# Altium PCB Salico Picker Motor Controller Breakout.PcbDoc (continued)
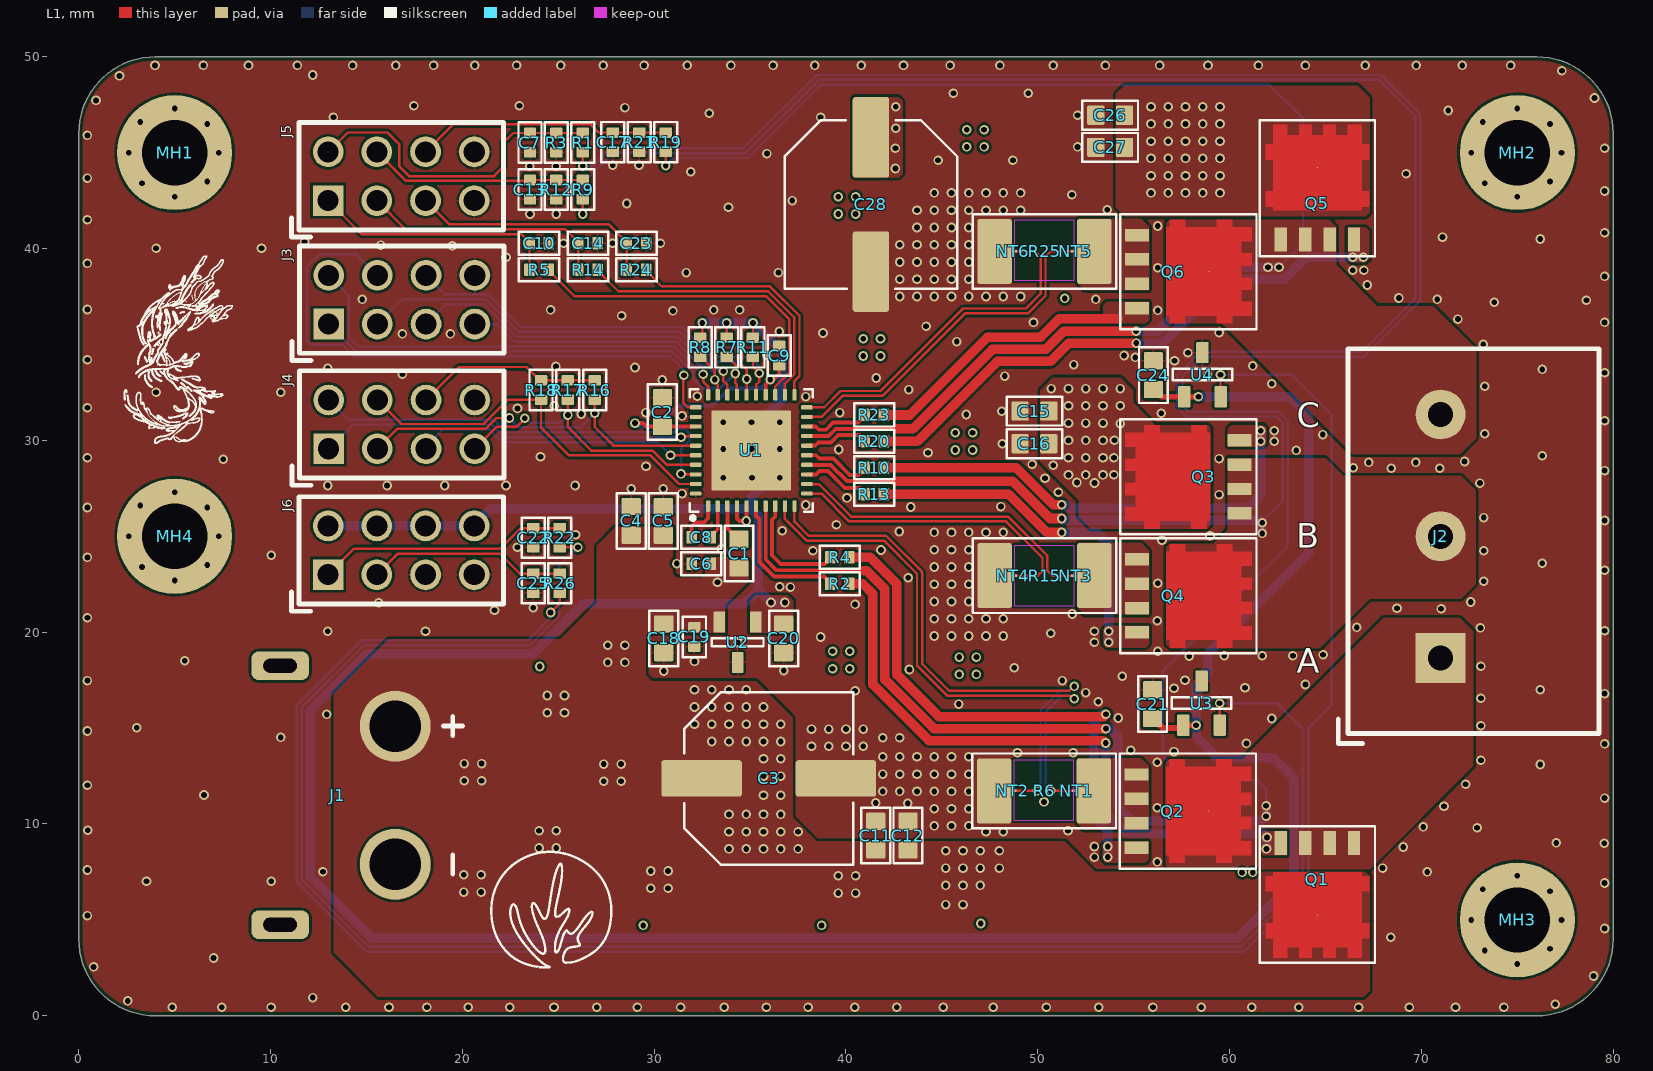
[diagram p0: L1 view]
## Footprints (in the part's own frame and the unit in brackets; to place one, negate y for a bottom-side part, rotate by r counter-clockwise, add the part's x,y. Pads: shape width x height; smd on the part's side, far side on the other; paste and mask are expansions set on the pad) (continued)
XT60PW-M-Footprint-1 [mm]
  round 3.7 hole 2.7: 1(3.6,-6) 2(-3.6,-6)
  rrect50% 1.5x3 hole 0.75 slot 1.75 at 90 deg: MH0(-6.75,0) MH1(6.75,0)
  silkscreen extent -4.1,-9.5 4.1,-8.5, body extent -7.75,-7.85 7.75,10.35, height 8.41

## Part data
C1 C2 C20 C21 C24: library part CMP-001-00087-3, "CAP CER 1UF 25V X7R 0603", Capacitor Type=MLCC, Case/Package=0603, Temperature Coefficient=X7R, Tolerance=10%, Voltage Rating=25V, Mounting Technology="Surface Mount", Pins=2
C3 C28: library part CMP-001-00089-1, "CAP ALUM 220UF 20% 35V SMD", Capacitor Type="Aluminum Electrolytic", Case/Package="Radial, Can - SMD", Tolerance=20%, Voltage Rating=35V, Mounting Technology="Surface Mount", Pins=2
C4 C5 C11 C12 C15 C16 C18 C26 C27: library part CMP-001-00088-2, "CAP CER 10UF 35V X5R 0603", Capacitor Type=MLCC, Case/Package=0603, Temperature Coefficient=X5R, Tolerance=20%, Voltage Rating=35V, Mounting Technology="Surface Mount", Pins=2
C6 C7 C9 C10 C13 C14 C17 C19 C22 C23 C25: library part CMP-001-00084-4, "CAP CER 0.1UF 50V X7R 0402", Capacitor Type=MLCC, Case/Package=0402, Temperature Coefficient=X7R, Tolerance=10%, Voltage Rating=50V, Mounting Technology="Surface Mount", Pins=2
C8: library part CMP-001-00085-3, "CAP CER 0.047UF 50V X7R 0402", Capacitor Type=MLCC, Case/Package=0402, Temperature Coefficient=X7R, Tolerance=10%, Voltage Rating=50V, Mounting Technology="Surface Mount", Pins=2
J1: library part CMP-002-00071-2, "XT60PW-M Connector", Connector Type="Through Hole", Gender=Male, Pins=2
J2: library part CMP-002-00073-1, "TERM BLK 3P SIDE ENT 6.35MM PCB", Max Current Rating=30A, Mounting Technology="Through Hole", Pins=3
J3 J4 J5 J6: library part CMP-002-00072-1, "CONN HEADER VERT 8POS 2.54MM", Connector Type=Header, Gender=Male, Mounting Technology="Through Hole", Pins=8
MH1 MH2 MH3 MH4: library part CMP-00030-00001-1, "M3 Mounting Hole"
NT1 NT2 NT3 NT4 NT5 NT6: library part CMP-00030-00002-12, "127um NET TIE"
Q1 Q2 Q3 Q4 Q5 Q6: library part CMP-013-00034-5, "MOSFET N-CH 40V 120A POWERFLAT 5X6 WF", Drain Current=120A, Drain to Source Voltage=40V, Input Capacitance=5400pF, Gate Charge=70nC, Mounting Technology="Surface Mount", Rds On=1mΩ, Transistor Type=N-Channel, Vgs (Max)=16V, Vgs(th) (Max) @ Id="2V @ 250µA"
R1 R9 R19: library part CMP-009-00182-1, "RES 66.5K OHM 1% 1/16W 0402", Case/Package=0402, Power=63mW, Tolerance=1%, Mounting Technology="Surface Mount", Pins=2
R2 R4 R5 R10 R13 R14 R16 R17 R18 R20 R22 R23 R24 R26: library part CMP-009-00180-2, "RES 0 OHM JUMPER 1/16W 0402", Case/Package=0402, Power=63mW, Mounting Technology="Surface Mount"
R3 R12 R21: library part CMP-009-00179-2, "RES 10K OHM 1% 1/16W 0402", Case/Package=0402, Power=63mW, Tolerance=1%, Pins=2
R6 R15 R25: library part CMP-009-00181-2, "RES 0.001 OHM 1% 5W 2512", Case/Package=2512, Power=5W, Tolerance=1%, Pins=2
R7 R8 R11: library part CMP-009-00178-5, "RES 4.7K OHM 1% 1/16W 0402", Case/Package=0402, Power=63mW, Tolerance=1%, Mounting Technology="Surface Mount", Pins=2
U1: library part CMP-00024-00006-10, "IC MTR DRV MULTPHAS 6-60V 40WQFN", Case/Package="40-WFQFN Exposed Pad", Max Operating Temperature=125°C, Min Operating Temperature=-40°C, Voltage Rating=60V, Mounting Technology="Surface Mount"
U2: library part CMP-019-00049-1, "IC REG LINEAR 3.3V 100MA SOT23-3", Case/Package=SOT-23-3, Dropout Voltage=1.1V, Output Current=100mA, Output Voltage=3.3V, Mounting Technology="Surface Mount"
U3 U4: library part CMP-010-00025-2, "SENSOR ANALOG -40C-125C SOT23-3", Case/Package=SOT-23-3, Mounting Technology="Surface Mount", Pins=3, Sensor Type=Temperature

## Via types
v1: diameter 0.5, hole 0.3, L1 to L4, tented both sides, 720 vias

## Nets (pads, with @x,y where several pads share a name; then routed paths per layer and width w, separated by ;. In a path a pad name is that pad's centre, name@x,y a point inside that pad or via, vN(x,y) a via of type N, cw(c..) or ccw(c..) an arc to the next point about the centre after c; other vN are vias at no path point)
3V3: C20.2 C21.2 C24.2 J6.5 J6.6 J6.7 J6.8 R7.2 R8.2 R11.2 U2.1 U3.1 U4.1 | length 174.7
  L1 w0.127: R8.2 32.5,35.45 v1(32.5,36.125) ; R7.2 v1(33.775,36.125) ; R11.2 v1(35.15,36.125)
  L1 w0.3: C21.2 56.036,15.5 56.336,15.2 56.336,15.176 56.512,15 57.436,15 U3.1 v1(58.25,15.15) ; C24.2 56.076,32.65 56.451,32.275 U4.1 v1(58.375,32.275)
  L4 w0.5: J6.8 J6.7 J6.6 J6.5@20.635,25.54 ; J6.5 20.62,25.584 21.463,26.427 35.06,26.427 ; v1(32.5,36.125) v1(33.775,36.125) v1(35.15,36.125) 36.68,34.595 36.68,32.13 35.9,31.35 35.9,27.875 35.075,27.05 35.075,26.454 35.06,26.439 35.06,26.427 ; v1(36.817,21.546) v1(36.092,21.546) 35.427,22.211 ; v1(58.375,32.275) 63.1,32.275 64.125,31.25 64.125,24.15 58.861,18.886 58.861,17.799 58.25,17.188 v1(58.25,15.15) 58.25,14.575 59.375,13.45 62.3,13.45 63.35,12.4 63.35,6.975 60.425,4.05 25.45,4.05 25.441,4.04 15.292,4.04 12.069,7.263 12.069,15.912 15.038,18.881 23.701,18.881 26.296,21.475 34.691,21.475 35.427,22.211 ; 35.06,26.427 35.427,26.06 35.427,22.211
DRV_3V3: C2.2 C9.2 U1.24 U1.33 | length 13.3
  L1 w0.127: v1@36.053,33.151 v1(36.053,33.172)
  L1 w0.2: v1(29,30.9) 29.425,30.9 29.6,30.725 C2.2 ; C2.2@30.426,30.724 U1.33 ; U1.24 35.813,32.911 v1@36.053,33.151 ; v1(36.053,33.172) 36.11,33.229 36.279,33.229 36.517,33.467 36.517,33.917 C9.2
  L4 w0.2: v1(29,30.9) 29.081,30.9 29.256,30.725 30.175,30.725 31.252,31.802 33.052,31.802 33.95,32.7 35.575,32.7 v1@36.047,33.172
DRV_CPH: C8.2 U1.2 | length 1.8
  L1 w0.2: C8.2 32.95,25 33.125,25.175 33.313,25.363 U1.2
DRV_CPL: C8.1 U1.1 | length 2.2
  L1 w0.2: C8.1 31.95,25.525 32.15,25.725 32.6,25.725 32.813,25.938 U1.1
DRV_GHA: R2.1 U1.6 | length 7.2
  L1 w0.2: U1.6 35.313,26.062 35.486,25.889 35.486,23.651 36.24,22.898 38.852,22.898 39.175,22.575 R2.1
DRV_GHA_R: Q1.1 R2.2 | length 32.7
  L1 w0.5: R2.2 40.875,22.525 41.4,22 41.4,17.275 44.327,14.348 53.414,14.348 v1(53.537,14.225)
  L4 w0.5: v1(53.537,14.225) 53.537,10.638 54.652,9.523 61.727,9.523 v1(61.95,9.3) 61.937,9.287 61.937,8.712 v1(61.925,8.7)
DRV_GHB: R10.1 U1.15 | length 3.6
  L1 w0.2: U1.15 38.45,29.225 38.623,29.052 39.348,29.052 40.198,28.202 40.652,28.202 40.975,28.525 R10.1
DRV_GHB_R: Q3.1 R10.2 | length 24.2
  L1 w0.5: R10.2 48.873,28.575 50.798,26.65 v1(51.25,26.65)
  L4 w0.5: v1(51.25,26.65) 51.412,26.65 51.608,26.454 60.929,26.454 61.625,27.15 v1(61.625,30.5)
  other v1: 61.625,29.95
DRV_GHC: R20.1 U1.16 | length 3.4
  L1 w0.2: U1.16 38.399,29.724 38.572,29.897 39.222,29.897 ; 39.222,29.898 39.597,30.273 40.702,30.273 40.975,30 R20.1
DRV_GHC_R: Q5.1 R20.2 | length 29
  L1 w0.5: R20.2 43.723,29.95 47.894,34.121 50.669,34.121 51.621,35.073 v1(55.134,35.073)
  L4 w0.5: v1(55.134,35.073) 56.523,35.073 59.848,38.398 62.835,38.398 63.987,39.55 v1(66.975,39.55)
  other v1: 66.425,39.55
DRV_GLA: R4.1 U1.8 | length 6
  L1 w0.2: U1.8 36.313,26.038 36.14,25.865 36.14,24.01 36.598,23.552 38.877,23.552 39.175,23.85 R4.1
DRV_GLA_R: Q2.1 R4.2 | length 27.8
  L1 w0.5: R4.2 41.273,23.9 42.654,22.519 42.654,17.794 44.846,15.602 53.427,15.602 v1(53.55,15.725)
  L4 w0.5: v1(53.55,15.725) 53.368,15.725 52.91,15.267 52.91,10.378 53.65,9.638 v1(53.65,8.275)
  other v1: 53.65,8.825
DRV_GLB: R13.1 U1.13 | length 3.6
  L1 w0.2: U1.13 38.449,28.224 38.623,28.398 39.065,28.398 39.938,27.525 40.7,27.525 40.975,27.25 R13.1
DRV_GLB_L: Q4.1 R13.2 | length 17.9
  L1 w0.5: R13.2 48.475,27.2 50.475,25.2 v1(51.25,25.2)
  L4 w0.5: v1(51.25,25.2) 53.075,25.2 53.7,24.575 v1(53.7,19.475)
  other v1: 53.7,20.05
DRV_GLC: R23.1 U1.18 | length 3.4
  L1 w0.2: U1.18 38.426,30.724 38.599,30.551 38.951,30.551 39.327,30.927 40.627,30.927 40.975,31.275 R23.1
DRV_GLC_R: Q6.1 R23.2 | length 14.3
  L1 w0.5: R23.2 43.325,31.325 47.375,35.375 50.15,35.375 51.125,36.35 54.186,36.35
DRV_ISENSE_A: NT1.2 Q2.2 R6.2
DRV_ISENSE_A_N: NT2.1 U1.10 | length 29.6
  L1 w0.127: U1.10 37.313,25.762 38.046,25.029 42.08,25.029 43.954,23.155 43.954,23.121 43.975,23.1 43.975,18.35 45.375,16.95 51.639,16.95 51.864,17.175 v1(51.9,17.175) ; NT2.1@48.825,11.725 v1(49.975,11.725)
  L4 w0.127: v1(49.975,11.725) 49.975,11.811 50.15,11.986 50.15,15.944 51.181,16.975 51.639,16.975 51.839,17.175 v1(51.9,17.175)
DRV_ISENSE_A_P: NT1.1 U1.9 | length 29.7
  L1 w0.127: U1.9 36.813,25.902 37.941,24.775 41.975,24.775 43.7,23.05 43.7,18.266 45.27,16.696 51.639,16.696 51.81,16.525 v1(51.9,16.525) ; v1(50.675,11.725) NT1.1@51.771,11.725
  L4 w0.127: v1(50.675,11.725) 50.404,11.996 50.404,15.839 51.286,16.721 51.639,16.721 51.835,16.525 v1(51.9,16.525)
DRV_ISENSE_B: NT3.2 Q4.2 R15.2
DRV_ISENSE_B_N: NT4.1 U1.11 | length 15.8
  L1 w0.127: U1.11 38.716,27.224 40.166,25.775 48.35,25.775 50.246,23.879 50.246,23.196 50,22.95 NT4.1@48.85,22.95
DRV_ISENSE_B_P: NT3.1 U1.12 | length 16.2
  L1 w0.127: U1.12@37.969,27.719 38.581,27.719 40.271,26.029 48.455,26.029 50.5,23.984 50.5,23.2 50.75,22.95 NT3.1@51.775,22.95
DRV_ISENSE_C: NT5.2 Q6.2 R25.2
DRV_ISENSE_C_N: NT6.1 U1.20 | length 18
  L1 w0.127: U1.20 38.866,31.725 39.716,32.575 41.8,32.575 46.1,36.875 49.375,36.875 50.146,37.646 50.146,39.579 49.875,39.85 NT6.1@48.85,39.85
DRV_ISENSE_C_P: NT5.1 U1.19 | length 18.6
  L1 w0.127: U1.19 38.725,31.225 39.821,32.321 41.905,32.321 46.205,36.621 49.48,36.621 50.4,37.541 50.4,39.575 50.675,39.85 NT5.1@51.8,39.85
DRV_SHA: J2.1 Q1.2 Q2.3 R1.2 U1.7 | length 145.5
  L1 w0.127: v1(26.275,44.3) R1.2
  L1 w0.2: U1.7 35.813,23.787 36.375,23.225 40.9,23.225
  L1 w0.5: 40.925,23.2 41.087,23.2 42.027,22.26 42.027,17.535 44.587,14.975 v1(53.55,14.975)
  L4 w0.127: v1(26.275,44.3) 26.812,44.3 27.741,45.229 34.661,45.229 38.482,49.05 67.893,49.05 69.933,47.01 69.933,37.283 67.021,34.371 58.603,34.371 57.525,33.293 57.525,31.834 57.859,31.5 62.534,31.5 63.029,31.005 63.029,24.502 56.525,17.998 56.525,13.55 57.8,12.275 61.45,12.275 61.9,11.825 v1(61.9,10.95)
  L4 w0.5: v1(53.55,14.975) 53.775,14.975 54.164,14.586 54.164,10.897 54.912,10.15 61.65,10.15 v1(61.9,10.4) v1(61.9,10.95)
DRV_SHB: J2.2 Q3.2 Q4.3 R9.2 U1.14 | length 111.1
  L1 w0.127: v1(26.275,41.8) R9.2
  L1 w0.2: U1.14 39.2,28.725 40.05,27.875 42.575,27.875
  L1 w0.5: 42.575,27.875 48.687,27.875 50.637,25.925 v1(51.25,25.925)
  L4 w0.127: v1(26.275,41.8) 26.275,43.404 27.846,44.975 34.766,44.975 38.587,48.796 67.788,48.796 69.679,46.905 69.679,37.388 66.916,34.625 58.498,34.625 57.271,33.398 57.271,31.729 57.754,31.246 62.429,31.246 62.775,30.9 62.775,26.875 61.7,25.8 v1(61.7,25.7)
  L4 w0.5: v1(51.25,25.925) 51.348,25.827 61.573,25.827 v1(61.7,25.7) v1(61.7,25.15)
DRV_SHC: J2.3 Q5.2 Q6.3 R19.2 U1.17 | length 73
  L1 w0.127: v1(30.6,44.325) R19.2
  L1 w0.2: U1.17 39.086,30.224 39.462,30.6 42.675,30.6
  L1 w0.5: 42.675,30.6 43.487,30.6 47.635,34.748 50.41,34.748 51.362,35.7 v1(55.125,35.7)
  L4 w0.127: v1(30.6,44.325) 30.996,44.721 34.871,44.721 38.692,48.542 62.083,48.542 63.825,46.8 63.825,40.275 v1(62.575,39.025)
  L4 w0.5: v1(55.125,35.7) 56.263,35.7 59.588,39.025 v1(62,39.025) v1(62.575,39.025)
DRV_VCP: C1.1 U1.3 | length 1.9
  L1 w0.2: U1.3 33.813,25.412 C1.1@34.367,24.858
GND: C2.1 C3.2 C4.1 C5.1 C6.1 C7.1 C9.1 C10.1 C11.1 C12.1 C13.1 C14.1 C15.1 C16.1 C17.1 C18.1 C19.1 C20.1 C21.1 C22.1 C23.1 C24.1 C25.1 C26.1 C27.1 C28.2 J1.2 J3.5 J4.5 J5.4 J5.5 J6.3 J6.4 NT2.2 NT4.2 NT6.2 R3.1 R6.1 R12.1 R15.1 R21.1 R25.1 U1.32 U1.40 U1.41 U2.3 U3.3 U4.3 | length 0
  L1 w0.127: C9.1@36.5,34.95 C9.1
  other v1: 4.875,0.45 7.45,0.45 10.025,0.45 13.925,0.45 16.175,0.45 18.15,0.45 20.3,0.45 22.475,0.45 24.775,0.45 27,0.45 29.125,0.45 31.375,0.45 33.65,0.45 35.85,0.45 38.025,0.45 40.45,0.45 42.65,0.45 45.075,0.45 47.675,0.45 50.45,0.45 53.175,0.45 56,0.45 58.525,0.45 61.15,0.45 63.6,0.45 66.725,0.45 69.375,0.45 71.775,0.45 74.3,0.45 76.975,0.6 2.55,0.775 12.2,0.95 78.975,2.075 0.775,2.55 7.029,3.012 68.4,4.1 79.55,4.55 29.429,4.712 38.729,4.712 47.029,4.812 0.45,5.225 79.55,6.925 3.529,7.012 10.029,7.012 60.65,7.475 61.2,7.475 70.3,7.5 12.729,7.512 0.45,7.6 67.975,7.7 56.225,8.025 52.95,8.275 69.05,8.8 52.95,8.825 79.525,9 77.029,9.012 47.3,9.6 48.2,9.6 51.575,9.65 0.475,9.675 72.9,9.8 70.1,9.85 44.6,9.9 45.5,9.9 46.4,9.9 44.6,10.8 45.5,10.8 46.4,10.8 56.225,10.85 71.175,10.925 43.225,11.075 41.55,11.1 50.325,11.15 79.55,11.35 6.529,11.512 41.912,11.7 42.8,11.7 43.7,11.7 44.6,11.7 45.5,11.7 46.4,11.7 0.45,12.025 72.3,12.075 41.912,12.6 42.8,12.6 43.7,12.6 44.6,12.6 45.5,12.6 46.4,12.6 76.2,13.1 56.225,13.225 73.1,13.325 42.8,13.5 43.7,13.5 44.6,13.5 45.5,13.5 46.4,13.5 41.912,13.5 48.94,13.716 51.84,13.716 57.1,13.775 54.85,13.85 38.2,14.05 39.1,14.05 40,14.05 40.9,14.05 79.55,14.175 60.875,14.2 42.793,14.49 10.529,14.512 41.912,14.5 0.45,14.85 38.2,14.95 39.1,14.95 40,14.95 40.9,14.95 3.029,15.012 73.1,15.125 62.2,15.5 54.2,15.525 12.929,15.712 45.875,16.25 53.15,16.375 73.1,16.55 79.55,16.8 52.5,16.85 40.475,16.95 76.2,17 57.1,17.075 60.8,17.1 63.95,17.275 0.45,17.475 51.275,17.475 57.675,17.5 54.4,17.7 30.5,17.975 36.75,18 43.304,18.056 48.775,18.15 24.029,18.212 73.1,18.225 32.1,18.475 5.529,18.512 57.9,18.75 59.725,18.775 61.7,18.775 63.3,18.775 64.875,18.825 56.25,19 34.35,19.475 52.95,19.475 38.675,19.75 44.6,19.8 45.5,19.8 46.4,19.8 47.3,19.8 48.2,19.8 50.675,19.95 12.975,20.05 18.075,20.05 52.95,20.05 79.55,20.075 73.075,20.225 66.625,20.25 56.225,20.6 44.6,20.7 45.5,20.7 46.4,20.7 47.3,20.7 48.2,20.7 0.45,20.75 51.8,20.95 21.675,21.15 71.025,21.225 68.725,21.25 23.7,21.275 40.475,21.45 15.629,21.526 72.575,21.575 44.6,21.6 45.5,21.6 46.4,21.6 37.1,22.35 36.55,22.375 44.6,22.5 45.5,22.5 46.4,22.5 56.25,22.55 73.25,22.65 43.24,22.832 79.55,23.225 44.6,23.4 45.5,23.4 46.4,23.4 31.175,23.575 76.3,23.6 0.45,23.9 10.029,24.012 38.275,24.25 73.25,24.25 41.823,24.286 44.6,24.3 45.5,24.3 46.4,24.3 33.5,24.35 22.875,24.425 56.475,24.8 58.975,25.025 25.9,25.075 44.6,25.2 45.5,25.2 46.4,25.2 47.3,25.2 48.2,25.2 42.775,25.25 36.679,25.295 39.5,25.6 79.55,25.825 73.25,25.975 0.45,26.5 43.372,26.527 48.075,26.55 37.896,26.632 40.05,27 59.45,27.175 31.45,27.225 51.075,27.3 28.8,27.475 30.475,27.475 12.975,27.65 16.075,27.65 19.075,27.65 22.275,27.65 25.875,27.65 73.05,27.775 50.375,28.025 33.6,28.05 35.1,28.05 36.55,28.05 79.55,28.425 68.425,28.55 70.95,28.55 66.45,28.575 29.575,28.65 49.7,28.75 67.25,28.85 69.7,28.85 72.25,28.9 7.529,29.012 59.45,29.05 0.45,29.1 24.075,29.15 76.3,29.2 44.275,29.35 63.475,29.475 39.625,29.525 33.6,29.55 35.075,29.55 36.55,29.55 48.15,29.825 62.325,29.95 64.85,30.3 73.3,30.35 62.325,30.5 33.6,30.95 35.075,30.95 36.55,30.95 79.55,31.025 31.45,31.275 46.275,31.35 26.2,31.375 56.429,31.412 29.575,31.45 39.675,31.45 48.125,31.525 22.875,31.665 0.45,31.7 24.8,31.8 37.896,32.282 32.25,32.3 4.029,32.512 10.529,32.512 43.275,32.65 73.3,32.825 62.2,32.95 30.425,33.15 41.575,33.25 48.275,33.35 58.825,33.425 16.875,33.45 79.55,33.525 76.3,33.7 12.975,33.75 29,33.8 24.875,33.85 61.2,33.882 51.875,33.95 57.125,34.15 0.45,34.2 55.075,34.325 54.5,34.425 35.875,34.45 57.825,34.575 73.225,35 45.775,35.15 16.875,35.55 19.375,35.55 38.8,35.6 59.45,35.625 36.525,35.675 44.175,35.95 49.775,36.15 79.55,36.15 71.9,36.325 7.029,36.512 28.3,36.5 30.975,36.75 56.25,36.775 24.6,36.8 33.1,36.8 34.45,36.8 0.45,36.825 73.8,37.2 78.6,37.3 14.775,37.35 53.025,37.35 70.825,37.35 68.825,37.425 42.8,37.5 43.7,37.5 44.6,37.5 45.5,37.5 46.4,37.5 47.3,37.5 48.2,37.5 49.1,37.5 67.175,38.1 42.8,38.4 43.7,38.4 44.6,38.4 45.5,38.4 46.4,38.4 79.55,38.55 31.675,38.75 36.475,38.75 66.425,38.875 67,38.875 56.25,39 0.45,39.225 42.8,39.3 43.7,39.3 44.6,39.3 45.5,39.3 46.4,39.3 22.275,39.55 4.029,40.012 9.529,40.012 19.475,40.15 15.743,40.18 42.8,40.2 43.7,40.2 44.6,40.2 45.5,40.2 46.4,40.2 25.275,40.275 27.825,40.275 30.325,40.275 11.775,40.35 76.2,40.5 71.1,40.6 79.55,40.825 43.7,41.1 44.6,41.1 45.5,41.1 46.4,41.1 56.25,41.175 0.45,41.5 23.525,41.8 24.9,41.8 43.7,42 44.6,42 45.5,42 46.4,42 47.3,42 48.2,42 49.1,42 53.625,42.025 33.875,42.15 28.575,42.35 37.2,42.5 51.778,42.808 44.6,42.9 45.5,42.9 46.4,42.9 47.3,42.9 48.2,42.9 49.1,42.9 79.55,43 0.45,43.675 69.2,43.9 31.9,44 23.51,44.291 24.885,44.291 27.835,44.341 29.21,44.341 44.8,44.6 48.7,44.6 35.875,44.95 79.55,45.225 52.075,45.3 0.45,45.9 13.275,46.85 38.675,46.85 52.075,46.95 32.875,47.05 71.4,47.2 28.475,47.35 17.475,47.45 22.975,47.45 0.9,47.725 79.025,47.85 45.6,48.1 49.5,48.1 2.125,49 12.2,49.05 77.325,49.275 3.975,49.55 6.5,49.55 8.85,49.55 11.4,49.55 14.275,49.55 16.525,49.55 18.5,49.55 20.65,49.55 22.825,49.55 25.125,49.55 27.35,49.55 29.475,49.55 31.725,49.55 34,49.55 36.2,49.55 38.375,49.55 40.8,49.55 43,49.55 45.425,49.55 48.025,49.55 50.8,49.55 53.525,49.55 56.35,49.55 58.875,49.55 61.5,49.55 63.95,49.55 67.075,49.55 69.725,49.55 72.125,49.55 74.65,49.55
GPIO_DRVCAL_MCU_TO_DRV_3V3: J3.7 U1.31 | length 31
  L1 w0.127: v1(31.55,33.4) 31.509,33.359 31.509,31.966 31.746,31.729 32.159,31.729 U1.31
  L4 w0.127: J3.7 14.471,39.7 12.55,39.7 11.9,39.05 11.9,35.2 12.125,34.975 13.757,34.975 14.347,34.386 30.828,34.386 31.479,33.735 31.479,33.471 v1(31.55,33.4)
GPIO_DRVENABLE_MCU_TO_DRV_3V3: J3.8 U1.30 | length 24.1
  L1 w0.127: v1(32.55,33.45) 32.55,33.075 32.813,32.812 U1.30
  L4 w0.127: J3.8 14.075,37.556 14.075,35.376 14.557,34.894 31.039,34.894 32.482,33.45 v1(32.55,33.45)
GPIO_DRVFAULT_DRV_TO_MCU_3V3_L: J3.6 R11.1 U1.25 | length 21.9
  L1 w0.127: R11.1 35.15,33.825 v1(35.475,33.5) 35.475,33.075 35.319,32.919 35.319,32.38 U1.25
  L4 w0.127: J3.6 19.103,37.608 21.335,37.608 23.034,35.91 31.459,35.91 32.631,34.738 32.963,34.738 ; 32.963,34.738 33.354,34.346 34.979,34.346 35.466,33.859 35.466,33.509 v1(35.475,33.5)
GPIO_MCU_TO_DRV_INL_3V3: J4.6 R16.1 R17.1 R18.1 | length 9.8
  L1 w0.127: J4.6 19.825,33.825 23.35,33.825 24.05,33.125 R18.1 R17.1 R16.1
ISENSE_A_DRV_TO_MCU_3V3: R5.1 U1.23 | length 17.9
  L1 w0.127: R5.1 24.5,38.85 25.829,37.521 35.836,37.521 37.05,36.307 37.05,33.546 36.313,32.809 U1.23
ISENSE_A_DRV_TO_MCU_FILT_3V3: C10.2 J5.1 R5.2 | length 12.9
  L1 w0.127: J5.1 13.737,41.763 14.75,40.75 23.075,40.75 C10.2@23.5,40.325 ; R5.2 C10.2@23.5,40.325 ; C10.2 C10.2@23.5,40.325
ISENSE_B_DRV_TO_MCU_3V3: R14.1 U1.22 | length 15.6
  L1 w0.127: R14.1 27.05,38.85 28.125,37.775 35.941,37.775 37.304,36.412 37.304,33.441 36.813,32.95 U1.22
ISENSE_B_DRV_TO_MCU_FILT_3V3: C14.2 J5.2 R14.2 | length 12.8
  L1 w0.127: J5.2 17.036,41.004 25.371,41.004 26.05,40.325 R14.2
ISENSE_C_DRV_TO_MCU_3V3: R24.1 U1.21 | length 13.3
  L1 w0.127: R24.1 29.575,38.85 30.396,38.029 36.046,38.029 37.575,36.5 37.575,33.35 37.313,33.088 U1.21
ISENSE_C_DRV_TO_MCU_FILT_3V3: C23.2 J5.3 R24.2 | length 12.8
  L1 w0.127: J5.3 19.322,41.258 27.642,41.258 28.575,40.325 R24.2
PWM_MCU_TO_DRV_INHA_3V3: J4.1 U1.34 | length 20
  L1 w0.127: v1(31.4,30.165) 31.46,30.225 U1.34@32.163,30.225
  L4 w0.127: J4.1 14.289,30.829 21.53,30.829 22.194,30.165 v1(31.4,30.165)
PWM_MCU_TO_DRV_INHB_3V3: J4.3 U1.36 | length 15.1
  L1 w0.127: v1(30.851,29.226) U1.36@32.163,29.225
  L4 w0.127: J4.3 18.106,29.706 18.975,30.575 21.425,30.575 22.1,29.9 30.177,29.9 v1(30.851,29.226)
PWM_MCU_TO_DRV_INHC_3V3: J4.8 U1.38 | length 22.8
  L1 w0.127: v1(31.4,28.25) 31.413,28.237 32.151,28.237 U1.38
  L4 w0.127: J4.8 14.048,31.083 21.635,31.083 22.299,30.419 31.031,30.419 31.218,30.605 31.582,30.605 31.841,30.347 31.841,29.983 31.582,29.724 31.564,29.724 31.4,29.56 v1(31.4,28.25)
PWM_MCU_TO_DRV_INLA_3V3: J4.2 R16.2 U1.35 | length 19.6
  L1 w0.127: J4.2 16.6,30.6 21.209,30.6 21.774,31.165 v1(22.45,31.165) ; R16.2 26.9,30.7 27.876,29.724 30.019,29.724 U1.35
  L4 w0.127: v1(22.45,31.165) 22.94,30.675 26.162,30.675 v1(26.9,31.413)
PWM_MCU_TO_DRV_INLB_3V3: J4.4 R17.2 U1.37 | length 14.7
  L1 w0.127: J4.4 21.78,30.7 22.83,30.7 23.25,31.12 v1(23.25,31.15) ; R17.2 v1(25.5,31.325) 25.5,31.224 25.5,30.691 26.72,29.47 29.914,29.47 30.66,28.724 U1.37
  L4 w0.127: v1(23.25,31.15) 23.29,31.15 23.511,30.929 25.104,30.929 v1(25.5,31.325)
PWM_MCU_TO_DRV_INLC_3V3: J4.7 R18.2 U1.39 | length 20.3
  L1 w0.127: J4.7 16.817,30.854 21.104,30.854 22.375,32.125 R18.2 24.1,30.675 25.559,29.216 29.809,29.216 31.301,27.724 U1.39
SPI_CS_MCU_TO_DRV_3V3_L: J3.4 R8.1 U1.29 | length 16.5
  L1 w0.127: R8.1@32.15,34.275 32.525,34.275 R8.1@32.662,34.138 ; R8.1@32.662,34.138 33.157,33.643 33.157,33.067 33.313,32.911 U1.29
  L4 w0.127: J3.4 21.784,36.066 22.702,35.148 31.144,35.148 32.383,33.908 32.715,33.908 33.121,33.502 33.121,33.204 v1(33.157,33.168)
SPI_MISO_DRV_TO_MCU_3V3: J3.2 R7.1 U1.26 | length 24.4
  L1 w0.127: R7.1 33.987,34.138 34.037,34.138 34.25,33.925 34.575,33.925 34.834,33.666 34.834,33.209 v1(34.825,33.2) 34.819,33.194 34.819,32.38 U1.26
  L4 w0.127: J3.2 16.854,37.354 21.23,37.354 22.929,35.656 31.354,35.656 32.527,34.483 32.858,34.483 ; 32.858,34.483 33.249,34.092 34.408,34.092 34.825,33.675 v1(34.825,33.2)
SPI_MOSI_MCU_TO_DRV_3V3: J3.1 U1.27 | length 24.2
  L1 w0.127: v1(34.223,33.485) 34.223,33.002 34.313,32.912 U1.27
  L4 w0.127: J3.1 14.452,34.64 30.933,34.64 32.05,33.523 32.05,33.2 32.522,32.728 33.179,32.728 33.465,32.728 v1(34.223,33.485)
SPI_SCLK_MCU_TO_DRV_3V3: J3.3 U1.28 | length 18.7
  L1 w0.127: v1(33.607,33.605) 33.611,33.601 33.611,33.088 33.813,32.885 U1.28
  L4 w0.127: J3.3 19.14,37.1 21.125,37.1 22.823,35.402 31.249,35.402 32.422,34.228 32.754,34.228 33.308,33.674 33.537,33.674 v1(33.607,33.605)
TSENSE_AB_DRV_TO_MCU_3V3: R22.1 U3.2 | length 98.5
  L1 w0.127: R22.1 v1(26.025,24.425) ; v1(59.475,16.3) 59.475,15.161 U3.2
  L4 w0.127: v1(26.025,24.425) 25.05,23.45 25.05,20.852 23.519,19.321 14.855,19.321 11.629,16.095 11.629,7.08 15.109,3.6 60.6,3.6 63.8,6.8 63.8,14.975 62.475,16.3 v1(59.475,16.3)
TSENSE_AB_DRV_TO_MCU_FILT_3V3: C22.2 J6.1 R22.2 | length 13.1
  L1 w0.127: J6.1 14.354,24.354 21.979,24.354 23.05,25.425 R22.2
TSENSE_BC_DRV_TO_MCU_3V3: R26.1 U4.2 | length 114.4
  L1 w0.127: v1(24.6,21.025) 25.075,21.5 R26.1 ; v1(59.525,33.425) 59.525,32.284 U4.2
  L4 w0.127: v1(24.6,21.025) 24.547,20.972 24.547,20.709 23.414,19.575 14.75,19.575 11.375,16.2 11.375,6.975 15.004,3.346 60.705,3.346 60.759,3.4 60.8,3.4 64.1,6.7 64.1,15 65.325,16.225 65.325,31.35 63.25,33.425 v1(59.525,33.425)
TSENSE_BC_DRV_TO_MCU_FILT_3V3: C25.2 J6.2 R26.2 | length 10.4
  L1 w0.127: J6.2 16.64,24.1 21.95,24.1 23,23.05 R26.2
VBUS: C1.2 C3.1 C4.2 C5.2 C6.2 C11.2 C12.2 C15.2 C16.2 C18.2 C19.2 C26.2 C27.2 C28.1 J1.1 Q1.3 Q3.3 Q5.3 U1.4 U1.5 U2.2 | length 1.9
  L1 w0.2: U1.4 34.313,25.925 34.439,25.8 v1(34.8,25.8) ; v1@34.813,25.813 U1.5
  other v1: 45.2,5.8 46.1,5.8 39.6,6.4 40.5,6.4 20.075,6.45 20.975,6.45 29.825,6.65 30.725,6.65 45.2,6.8 46.1,6.8 47,6.8 39.6,7.3 40.5,7.3 20.075,7.35 20.975,7.35 29.825,7.55 30.725,7.55 45.2,7.7 46.1,7.7 47,7.7 48,7.7 45.2,8.6 46.1,8.6 47,8.6 48,8.6 33.9,8.7 34.8,8.7 35.7,8.7 36.6,8.7 37.5,8.7 24,8.75 24.9,8.75 33.9,9.6 34.8,9.6 35.7,9.6 36.6,9.6 37.5,9.6 24,9.65 24.9,9.65 33.9,10.5 34.8,10.5 35.7,10.5 36.6,10.5 35.7,11.5 36.6,11.5 27.375,12.225 28.275,12.225 20.1,12.25 21,12.25 35.7,12.5 36.6,12.5 27.375,13.125 28.275,13.125 20.1,13.15 21,13.15 35.7,13.4 36.6,13.4 33,14.3 33.9,14.3 34.8,14.3 35.7,14.3 36.6,14.3 32.1,15.2 33,15.2 33.9,15.2 34.8,15.2 35.7,15.2 36.6,15.2 24.425,15.8 25.325,15.8 32.1,16.1 33,16.1 33.9,16.1 34.8,16.1 35.7,16.1 24.425,16.7 25.325,16.7 32.1,17 33,17 33.9,17 34.8,17 45.9,17.8 46.8,17.8 39.3,18.1 40.2,18.1 27.575,18.425 28.475,18.425 45.9,18.7 46.8,18.7 39.3,19 40.2,19 27.575,19.325 28.475,19.325 33.3,22.6 52.954,27.777 52.039,27.802 51.6,28.2 52.5,28.2 53.4,28.2 53.97,28.208 50.8,28.7 51.6,29.1 52.5,29.1 53.4,29.1 53.97,29.097 45.7,29.5 46.6,29.5 51.6,30 52.5,30 53.4,30 53.995,30.012 45.7,30.4 46.6,30.4 54.3,30.875 51.6,30.9 52.5,30.9 53.4,30.9 51.6,31.8 52.5,31.8 53.4,31.8 54.3,31.8 50.7,32.7 51.6,32.7 52.5,32.7 53.4,32.7 54.3,32.7 40.9,34.4 41.8,34.4 40.9,35.3 41.8,35.3 51.4,37.4 39.6,41.8 40.5,41.8 39.6,42.7 40.5,42.7 55.9,42.9 56.8,42.9 57.7,42.9 58.6,42.9 59.5,42.9 55.9,43.8 56.8,43.8 57.7,43.8 58.6,43.8 59.5,43.8 42.575,44.175 55.9,44.7 56.8,44.7 57.7,44.7 58.6,44.7 59.5,44.7 42.575,45.225 46.3,45.3 47.2,45.3 55.9,45.6 56.8,45.6 57.7,45.6 58.6,45.6 59.5,45.6 46.3,46.2 47.2,46.2 42.6,46.275 55.9,46.5 56.8,46.5 57.7,46.5 58.6,46.5 59.5,46.5 42.6,47.4 55.9,47.4 56.8,47.4 57.7,47.4 58.6,47.4 59.5,47.4
VSENSE_A_DRV_TO_MCU_3V3: C7.2 J5.8 R1.1 R3.2 | length 17
  L1 w0.127: J5.8 13.015,45.04 14.025,46.05 16.1,46.05 16.7,45.45 16.7,44.3 17.221,43.779 21.654,43.779 22.15,44.275 22.15,45.525 22.65,46.025 C7.2 R3.2 R1.1
VSENSE_B_DRV_TO_MCU_3V3: C13.2 J5.7 R9.1 R12.2 | length 11.4
  L1 w0.127: J5.7 17.055,43.525 23.475,43.525 C13.2 R12.2 R9.1
VSENSE_C_DRV_TO_MCU_3V3: C17.2 J5.6 R19.1 R21.2 | length 13.3
  L1 w0.127: J5.6 19.53,46.49 26.655,46.49 27.095,46.05 C17.2 R21.2 R19.1
pads on no net: J1.MH0 J1.MH1 MH1.1 MH2.1 MH3.1 MH4.1
copper on no net:
  other v1: 75,2.7 73.3,3.4 76.7,3.5 72.6,5 77.3,5 76.7,6.5 73.2,6.6 75,7.3 5,22.7 3.3,23.4 6.7,23.5 2.6,25 7.3,25 6.7,26.5 3.2,26.6 5,27.3 5,42.7 75,42.7 3.3,43.4 73.3,43.4 6.7,43.5 76.7,43.5 2.6,45 7.3,45 72.6,45 77.3,45 6.7,46.5 76.7,46.5 3.2,46.6 73.2,46.6 5,47.3 75,47.3

## Polygon pours and split planes (outlines as drawn)
VBUS on L1 "L1-VBUS" (solid, pour order 31): 16.125,19.625 13.3,16.8 13.3,3.31 15.596,0.988 66.988,0.988 67.3,1.3 67.3,7.275 67.075,7.5 53,7.5 51.4,9.1 38.475,9.1 37.225,10.35 37.225,15.55 35.325,17.45 29.875,17.45 29.55,17.775 29.55,19.625 29.9,19.975 33.7,19.975 33.7,21.425 34.925,22.65 34.925,23.8 33.925,23.8 33.825,23.9 32.675,23.9 32.675,23.05 32.475,22.85 31.175,22.85 30.975,23.05 30.975,25.5 28,25.5 27,24.5 27,21.525 25.1,19.625
GND on L1 "GND_L01_P042" (solid, pour order 42): 0,4 0,46 cw(c4,46) 4,50 76,50 cw(c76,46) 80,46 80,4 cw(c76,4) 76,0 4,0 cw(c4,4)
DRV_GLA_R on L1 "DRV_GLA_R_L01_P003" (solid, pour order 3): 55.775,9.1 55.775,8.15 55.6,7.975 53.55,7.975 53.375,8.15 53.375,8.925 53.55,9.1
DRV_GHA_R on L1 "DRV_GHA_R_L01_P004" (solid, pour order 4): 63,8.375 61.75,8.375 61.65,8.475 61.65,9.55 61.725,9.625 63,9.625
DRV_ISENSE_A on L1 "DRV_ISENSE_A_L01_P006" (solid, pour order 6): 52.1,13.425 55.375,13.425 55.775,13.025 55.775,9.7 52.4,9.7 52.025,10.075 52.025,13.35
DRV_ISENSE_B on L1 "DRV_ISENSE_B_L01_P007" (solid, pour order 7): 52.125,24.65 55.4,24.65 55.8,24.25 55.8,20.925 52.425,20.925 52.05,21.3 52.05,24.575
DRV_ISENSE_C on L1 "DRV_ISENSE_C_L01_P010" (solid, pour order 10): 52.125,41.55 55.4,41.55 55.8,41.15 55.8,37.825 52.45,37.825 52.05,38.225 52.05,41.475
VBUS on L1 "VBUS_L01_P014" (solid, pour order 14): 52.125,26.875 50.125,28.875 50.125,32.625 50.775,33.275 54.325,33.275 54.975,32.625 54.975,31.994 56.117,30.8 58.875,30.8 59,30.675 59,25.575 58.825,25.4 52.75,25.4 52.125,26.025
VBUS on L1 "VBUS_L01_P015" (solid, pour order 15): 57.875,48.5 54.5,48.5 54.075,48.075 54.075,42.15 54.55,41.675 67.1,41.675 67.3,41.875 67.3,47.875 66.675,48.5
DRV_GLB_L on L1 "DRV_GLB_L_L01_P016" (solid, pour order 16): 55.8,20.325 55.8,19.375 55.625,19.2 53.575,19.2 53.4,19.375 53.4,20.15 53.575,20.325
DRV_GLC_R on L1 "DRV_GLC_R_L01_P017" (solid, pour order 17): 55.8,37.225 55.8,36.275 55.625,36.1 53.575,36.1 53.4,36.275 53.4,37.05 53.575,37.225
DRV_GHB_R on L1 "DRV_GHB_R_L01_P018" (solid, pour order 18): 59.9,29.675 59.9,30.625 60.075,30.8 61.775,30.8 61.9,30.675 61.9,29.825 61.75,29.675
DRV_GHC_R on L1 "DRV_GHC_R_L01_P019" (solid, pour order 19): 66.15,41.1 67.1,41.1 67.275,40.925 67.275,39.475 67.075,39.275 66.325,39.275 66.15,39.45
3V3 on L1 "3V3_L01_P021" (solid, pour order 21): 35,19.975 35,21.65 35.275,21.925 36.975,21.925 37.25,21.65 37.25,19.975
DRV_SHA on L1 "L1-DRV_SHA" (solid, pour order 25): 68.025,20.75 72,20.75 72.7,20.05 72.7,13.025 67.325,7.65 56.875,7.65 56.675,7.85 56.675,13.2 56.85,13.375 60.65,13.375
DRV_SHB on L1 "L1-DRV_SHB" (solid, pour order 27): 56.7,19.375 56.9,19.175 64.725,19.175 67.3,21.75 72.075,21.75 72.825,22.5 72.825,27.4 72.075,28.15 65.925,28.15 65,29.075 59.9,29.075 59.9,25.35 59.15,24.6 56.875,24.6 56.7,24.425
DRV_SHC on L1 "L1-DRV_SHC" (solid, pour order 29): 59.6,36.1 66.425,29.275 72.025,29.275 72.85,30.1 72.85,34.775 70.625,37 67.7,37 65.55,39.15 65.55,41.15 65.2,41.5 56.875,41.5 56.7,41.325 56.7,36.225 56.825,36.1
VBUS on L1 "VBUS_L01_P035" (solid, pour order 35): 42.75,47.9 42.95,47.7 42.95,43.9 42.75,43.7 40.425,43.7 40.35,43.775 40.35,47.817 40.433,47.9
VBUS on L4 "VBUS_L04_P000" (solid, pour order 0): 24.398,17.598 15.498,17.598 13,15.1 13,7.675 15.625,5.05 29.75,5.05 46.45,5.05 49.025,7.625 49.025,16.6 50.1,17.598 50.1,26.95 50.575,27.425 52.525,27.425 54.2,27.425 54.75,27.975 54.75,33.9 54.1,34.55 54.1,36.05 58.275,40.225 61.075,40.225 62.375,41.525 62.375,46.775 61.3,47.85 40.05,47.85 37.7,45.5 37.7,21.225 36.925,20.45 27.25,20.45
GND on L4 "GND_L04_P045" (solid, pour order 45): 0,4 0,46 cw(c4,46) 4,50 76,50 cw(c76,46) 80,46 80,4 cw(c76,4) 76,0 4,0 cw(c4,4)
VBUS on L3 "VBUS_L03_P044" (solid, pour order 44): 24.398,17.598 15.498,17.598 13,15.1 13,7.675 15.625,5.05 29.75,5.05 46.45,5.05 49.025,7.625 49.025,16.6 50.1,17.598 50.1,26.95 50.575,27.425 52.525,27.425 54.2,27.425 54.75,27.975 54.75,33.9 54.1,34.55 54.1,36.05 58.275,40.225 61.075,40.225 62.375,41.525 62.375,46.775 61.3,47.85 40.05,47.85 37.7,45.5 37.7,30.9 27.25,20.45
GND on L3 "GND_L03_P046" (solid, pour order 46): 0,4 0,46 cw(c4,46) 4,50 76,50 cw(c76,46) 80,46 80,4 cw(c76,4) 76,0 4,0 cw(c4,4)
GND on L2 "GND_L02_P043" (solid, pour order 43): 0,4 0,46 cw(c4,46) 4,50 76,50 cw(c76,46) 80,46 80,4 cw(c76,4) 76,0 4,0 cw(c4,4)

## Keep-outs
L1:
  rectangle: 48.775,38.345 51.909,41.475
  rectangle: 48.75,10.2 51.885,13.33
  rectangle: 48.777,21.385 51.912,24.515

## Silkscreen, mask and mechanical layers (free items; w line width, h text height)
Top Overlay:
  drawing of 25 lines, arcs and shapes, not listed
  text "C" at 63.502,30.69 h1.27
  text "B" at 63.477,24.415 h1.27
  text "A" at 63.502,17.89 h1.27
Bottom Overlay:
  drawing of 88 lines, arcs and shapes, not listed
  text "VA" at 13.423,46.171 h0.51
  text "VB" at 15.973,46.146 h0.51
  text "VC" at 18.523,46.146 h0.51
  text "GND" at 21.302,46.146 h0.51
  text "Salico BLDC Motor / Controller Breakout" at 68.75,41.243 h1.27
  text "IA" at 13.356,40.896 h0.51
  text "IB" at 15.931,40.896 h0.51
  text "IC" at 18.456,40.896 h0.51
  text "GND" at 21.302,40.896 h0.51
  text "FAULT" at 19.31,39.771 h0.51
  text "GND" at 21.327,39.746 h0.51
  text "EN" at 13.448,39.721 h0.51
  text "CAL" at 16.252,39.721 h0.51
  text "MOSI" at 13.878,34.44 h0.51
  text "MISO" at 16.446,34.44 h0.51
  text "SCLK" at 19.038,34.44 h0.51
  text "CS" at 21.08,34.44 h0.51
  text "INHC" at 13.939,33.221 h0.51
  text "INLC" at 16.464,33.221 h0.51
  text "INL" at 18.735,33.221 h0.51
  text "GND" at 21.327,33.221 h0.51
  text "INHA" at 13.889,27.946 h0.51
  text "INLA" at 16.464,27.921 h0.51
  text "INHB" at 18.989,27.921 h0.51
  text "INLB" at 21.539,27.921 h0.51
  text "3V3" at 13.677,26.646 h0.51
  text "3V3" at 16.227,26.646 h0.51
  text "3V3" at 18.752,26.646 h0.51
  text "3V3" at 21.302,26.646 h0.51
  text "TAB" at 13.677,21.396 h0.51
  text "TBC" at 16.202,21.371 h0.51
  text "GND" at 18.777,21.371 h0.51
  text "GND" at 21.327,21.371 h0.51
Mechanical 13:
  the board outline again, w0